# Altium PCB 2014_FDP_PCB.PcbDoc (part 2 of 4)
Units mil, origin at the board's own origin, x right, y up, seen from the top; angles counter-clockwise.
Board outline 4330.71 x 10236.22 mil, 4 copper layers (1-TOP, 2-GND, 3-SIGNAL, 4-BOT); 394 components, 292 nets, 1439 pads, 525 vias.
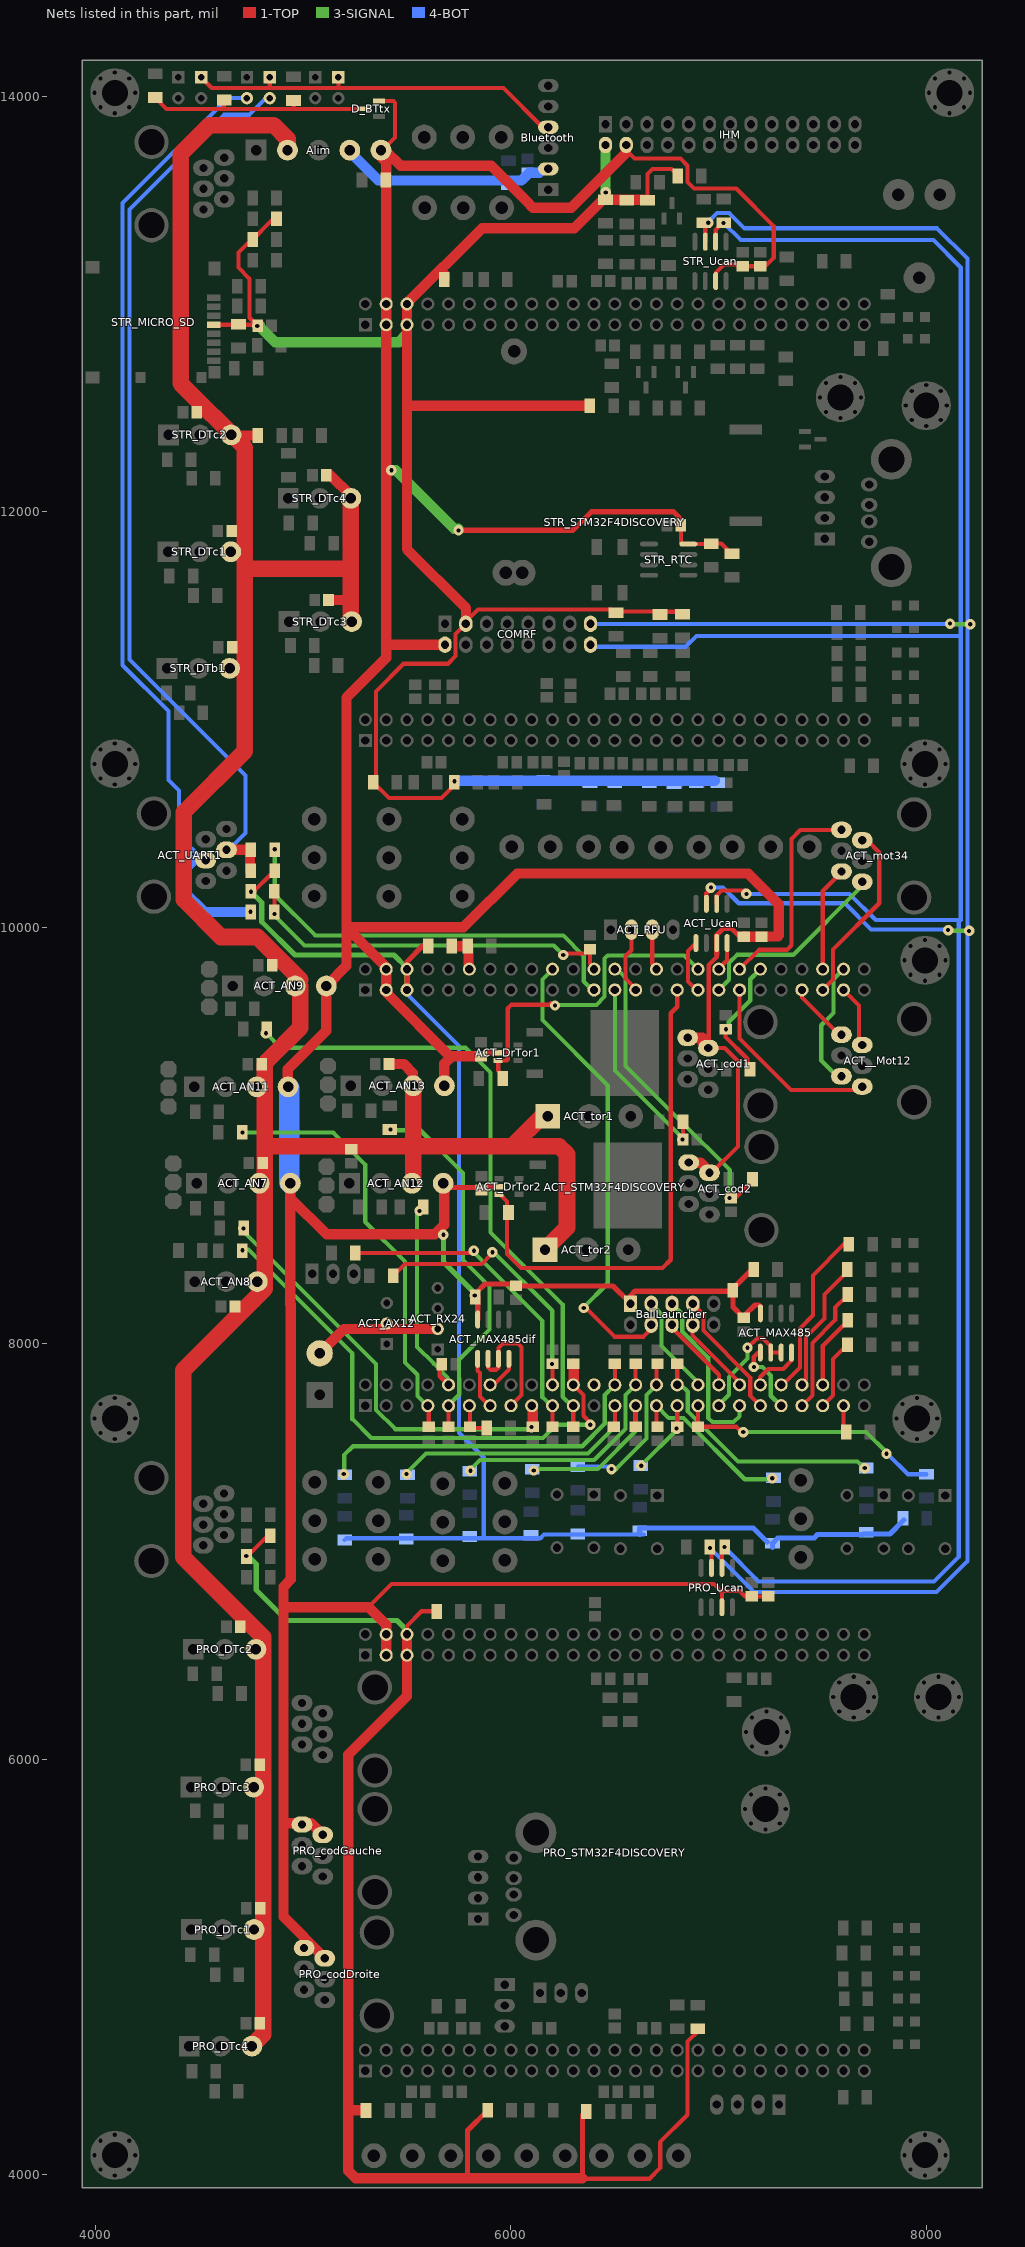
[diagram p4: the nets of this part, all layers, seen from the top]

## Part data
12V: "Terminal blocks, 2 pins, pitch=5mm"
ACT__Mot12 ACT_mot34 ACT_UART1 PRO_UART1 STR_UART1: "Right Angle, Standard Profile, Offset Latch DECconnect, Flangeless PCB Jack"
ACT_AN7 ACT_AN9 ACT_AN11 ACT_AN12 ACT_AN13: library part BORNIER_4V_3.81MM
ACT_AN8 PRO_DTc1 PRO_DTc2 PRO_DTc3 PRO_DTc4 STR_DTb1 STR_DTc1 STR_DTc2 STR_DTc3 STR_DTc4: library part BORNIER_3V_3.81MM
ACT_AX12: library part BARRETTE3, "Header, 3-Pin"
ACT_BPE12 ACT_BPE13 ACT_BPE14 ACT_BPE15: library part SW_Pushbutton_6x6mm_Vertical, "Switch tactil 6mm x 6mm Vertical"
ACT_Ccod1A ACT_Ccod1B ACT_Ccod2A ACT_Ccod2B ACT_CdAN7 ACT_CdAN8 ACT_CdAN9 ACT_CdAN11 ACT_CdAN12 ACT_CdAN13 ACT_CdCan1 ACT_CdCan2 ACT_CdMax485 ACT_CdMax485dif ACT_CfAn7 ACT_CfAn8 ACT_CfAn9 ACT_CfAn11 ACT_CfAn12 ACT_CfAn13 ACT_CfAn14 ACT_CfAn15 ACT_CfBPE12 ACT_CfBPE13 ACT_CfBPE14 ACT_CfBPE15 ACT_CfswE7 ACT_CfswE8 ACT_CfswE9 ACT_CfswE10 ACT_CfswE11 ACT_Cu1rx Cd_5V Cd_BT_1 Cd_BT_2 PRO_CBPE12 PRO_CcodDA PRO_CcodDB PRO_CcodGA PRO_CcodGB PRO_CdCan1 PRO_CdCan2 PRO_CdDtc1 PRO_CdDtc2 PRO_CdDtc3 PRO_CdDtc4 PRO_CfDTc1 PRO_CfDTc2 PRO_CfDTc3 PRO_CfDTc4 PRO_CfswE7 PRO_CfswE8 PRO_CfswE9 PRO_Cu1rx STR_Cd1SD STR_Cd2SD STR_Cd_RTC STR_CdCan1 STR_CdCan2 STR_CdDtb1 STR_CdDtc1 STR_CdDtc2 STR_CdDtc3 STR_CdDtc4 STR_CfBPA15 STR_CfBPC5 STR_CfBPD6 STR_CfBPD7 STR_CfBPE7 STR_CfBPE12 STR_CfBPE13 STR_CfBPE14 STR_CfBPE15 STR_CfDTb1 STR_CfDTc1 STR_CfDTc2 STR_CfDTc3 STR_CfDTc4 STR_CfSWA1 STR_CfSWA7 STR_CfSWB4 STR_CfSWB5 STR_CfSWE8 STR_CfSWE9 STR_CfSWE10 STR_CfSWE11 STR_Cmes24 STR_Cu1rx: library part Condensateur, "Capacitor"
ACT_CdDrTor1 ACT_CdDrTor2: library part Capacitor, "Capacitor"
ACT_cod1 ACT_cod2 PRO_codDroite PRO_codGauche PRO_Motors: library part RJ11_6/6, "Right Angle, Standard Profile, Offset Latch DECconnect, Flangeless PCB Jack"
ACT_currentMot PRO_currentMot PRO_UART2: "Header, 3-Pin"
ACT_Dcan ACT_Derror ACT_Drun ACT_DSelftest ACT_Duart ACT_Duser PRO_Dcan PRO_Derror PRO_Drun PRO_DSelftest PRO_Duart PRO_Duser STR_Dc6 STR_Dc7 STR_Dcan STR_Derror STR_Drun STR_DSelftest STR_Duart STR_Duser: library part LED, "Typical LED"
ACT_DrTor1 ACT_DrTor2: library part MCP1402
ACT_JPr ACT_JPt PRO_JPr PRO_JPt STR_JPr STR_JPt: "BARRETTE 2 CONTACTS 1 RANGEE MALE DROITE"
ACT_MAX485 ACT_MAX485dif: "EMETTEUR/RECEPTEUR FAIBLE PUISSANCE DE LIAISONS RS422/RS485 - DIP8"
ACT_Qtor1 ACT_Qtor2: library part IRF1010S, "HEXFET N-Channel Power MOSFET"
ACT_RCod1A ACT_RCod1B ACT_RCod2A ACT_RCod2B ACT_Rdcan ACT_Rderror ACT_Rdrun ACT_Rdselftest ACT_Rduart ACT_Rduser ACT_RdwnAn7 ACT_RdwnAn8 ACT_RdwnAn9 ACT_RdwnAn11 ACT_RdwnAn12 ACT_RdwnAn13 ACT_RdwnWAmI ACT_RfAn7 ACT_RfAn8 ACT_RfAn9 ACT_RfAn11 ACT_RfAn12 ACT_RfAn13 ACT_RfAn14 ACT_RfAn15 ACT_Rjpt ACT_Rmax485B+ ACT_Rmax485B- ACT_RpdDrTor1 ACT_RpdDrTor2 ACT_RpuBPE12 ACT_RpuBPE13 ACT_RpuBPE14 ACT_RpuBPE15 ACT_RpuMAX485 ACT_RpuMax485dif ACT_RpuswE7 ACT_RpuswE8 ACT_RpuswE9 ACT_RpuswE10 ACT_RpuswE11 ACT_RpuU1rx ACT_RpuU1tx ACT_RsBPE12 ACT_RsBPE13 ACT_RsBPE14 ACT_RsBPE15 ACT_RsSwE7 ACT_RsSwE8 ACT_RsSwE9 ACT_RsSwE10 ACT_RsSwE11 ACT_Rsu1rx ACT_RsU1tx ACT_RupWAmI PRO_RCodDA PRO_RCodDB PRO_RCodGA PRO_RCodGB PRO_Rdcan PRO_Rderror PRO_Rdrun PRO_Rdselftest PRO_Rdtc1 PRO_Rdtc2 PRO_Rdtc3 PRO_Rdtc4 PRO_Rduart PRO_Rduser PRO_RdwnWAmI PRO_RfDTc1 PRO_RfDTc2 PRO_RfDTc3 PRO_RfDTc4 PRO_Rjpt PRO_RpuBPE12 PRO_RpuswE7 PRO_RpuswE8 PRO_RpuswE9 PRO_RpuU1rx PRO_RpuU1tx PRO_RsBPE12 PRO_RsSwE7 PRO_RsSwE8 PRO_RsSwE9 PRO_Rsu1rx PRO_RsU1tx PRO_RupWAmI RcanH1 RcanH2 RcanL1 RcanL2 STR_mes24+ STR_mes24- STR_Rdcan STR_Rderror STR_Rdrun STR_Rdselftest STR_Rdtb1 STR_Rdtc1 STR_Rdtc2 STR_Rdtc3 STR_Rdtc4 STR_Rduart STR_Rduser STR_RdwnWAmI STR_RfDTb1 STR_RfDTc1 STR_RfDTc2 STR_RfDTc3 STR_RfDTc4 STR_Rjpt STR_RledC6 STR_RledC7 STR_RledColor1 STR_RledColor2 STR_RledColor3 STR_RpdColor1 STR_RpdColor2 STR_RpdColor3 STR_RpuBPA15 STR_RpuBPC5 STR_RpuBPD6 STR_RpuBPD7 STR_RpuBPE7 STR_RpuBPE12 STR_RpuBPE13 STR_RpuBPE14 STR_RpuBPE15 STR_RpuSB4 STR_RpuSWA1 STR_RpuSWA7 STR_RpuSWB5 STR_RpuSWE8 STR_RpuSWE9 STR_RpuSWE10 STR_RpuSWE11 STR_RpuU1rx STR_RpuU1tx STR_RsBPA15 STR_RsBPC5 STR_RsBPD6 STR_RsBPD7 STR_RsBPE7 STR_RsBPE12 STR_RsBPE13 STR_RsBPE14 STR_RsBPE15 STR_RsBuz STR_Rscl STR_Rsda STR_RsdCS STR_RsdMiso STR_RsdMosi STR_RsdSck STR_RsLedA8 STR_RsLedC10 STR_RsLedC11 STR_RsLedC12 STR_Rsmed24 STR_RsSWA1 STR_RsSWA7 STR_RsSWB4 STR_RsSWB5 STR_RsSWE8 STR_RsSWE9 STR_RsSWE10 STR_RsSWE11 STR_Rsu1rx STR_RsU1tx STR_RupWAmI: library part Resistor, "Resistor"
ACT_RFU PRO_gyro PRO_USB_fils STR_USB_fils: "Header, 4-Pin"
ACT_RX24: library part BARRETTE4, "Header, 4-Pin"
ACT_stAN7 ACT_stAN9 ACT_stAN11 ACT_stAN12 ACT_stAN13: library part "Goutte Strap_3", "Goutte Strap_3"
ACT_STM32F4DISCOVERY PRO_STM32F4DISCOVERY STR_STM32F4DISCOVERY: "KIT DE DEVELOPPEMENT POUR MICROCONTROLEUR STM32F407VGT6"
ACT_SwE7 ACT_SwE8 ACT_SwE9 ACT_SwE10 ACT_SwE11 PRO_SwE7 PRO_SwE8 PRO_SwE9 STR_SWA1 STR_SWA7 STR_SWB4 STR_SWB5 STR_SWE8 STR_SWE9 STR_SWE10 STR_SWE11: library part "SW SPDT- APEM Série 523x", "Switch unipolaire a levier"
ACT_tor1 ACT_tor2: library part BORNIER3, "Terminal blocks, 2 pins, pitch=5mm"
ACT_Ucan PRO_Ucan STR_Ucan: "High-Speed CAN Transceiver, 8-Pin SOIC, Industrial Temperature"
BallLauncher: "EMBASE HE10/10 MALE DROIT BAS PROFIL"
Bluetooth: "Header, 6-Pin"
D_BTtx STR_Dbuz: library part "Diode Shottky double  BAT54A", "DIODE SCHOTTKY DOUBLE"
Fix1 Fix2 Fix3 Fix4 Fix5 Fix6 V1 V2 V3 V4 V5 V6 V7 V8 V9: library part "Vis M3 X 6mm _TORX_Tête 6mm", "Vis M3 X 6mm _TORX_Tête 6mm"
IHM: "Header, 13-Pin, Dual row"
PRO_USB_A STR_USB_A: "EMBASE USB TRAVERSANTE TYPE A COUDEE"
STR_CR2032: "Battery, Pile"
STR_Qcolor1 STR_Qcolor2 STR_Qcolor3: library part "Transistor MOSFET-N", "N-Channel MOSFET"
STR_RTC: "64 X 8 Serial Real-Time Clock"
STR_Rvarbuz: "RESISTANCE VARIABLE_TRAVERSANTE : PT10LV"

## Via types
v1: diameter 50, hole 20, 1-TOP to 4-BOT, 525 vias

## Nets (pads, with @x,y where several pads share a name; then routed paths per layer and width w, separated by ;. In a path a pad name is that pad's centre, name@x,y a point inside that pad or via, vN(x,y) a via of type N, cw(c..) or ccw(c..) an arc to the next point about the centre after c; other vN are vias at no path point)
3V_ACT: ACT_RpuBPE12.2 ACT_RpuBPE13.2 ACT_RpuBPE14.2 ACT_RpuBPE15.2 ACT_RpuswE7.2 ACT_RpuswE8.2 ACT_RpuswE9.2 ACT_RpuswE10.2 ACT_RpuswE11.2 ACT_RpuU1rx.2 ACT_RpuU1tx.2 ACT_RupWAmI.2 ACT_STM32F4DISCOVERY.55 ACT_STM32F4DISCOVERY.56 | length 7055.6
  1-TOP w20: ACT_RpuU1rx.2@4747.91,10175 4765,10175 ACT_RpuU1tx.2@4847,10257
  1-TOP w25: ACT_STM32F4DISCOVERY.55@5500,9714 ACT_STM32F4DISCOVERY.56@5500,9800 5500,9836 5575,9911 ACT_RupWAmI.2@5601.91,9911
  3-SIGNAL w25: v1(4750,10172) 4801,10121 4801,10028 4961,9868 5438,9868 5499,9807 ACT_STM32F4DISCOVERY.55@5499,9701
  4-BOT w20: ACT_RpuswE8.2@5200,7053.91 5208.09,7062 6141,7062 6159,7080 6620,7080 ACT_RpuBPE13.2@6639,7080 ; ACT_STM32F4DISCOVERY.55@5500,9700 5500,9681 5751,9430 5751,7570 5869,7452 5869,7064
  4-BOT w25: ACT_RpuBPE13.2@6620,7080 6620,7111 7166,7111 ACT_RpuswE11.2@7233,7044 ; ACT_RpuswE11.2@7258,7018 ACT_RpuswE11.2@7258,7038.91 ; ACT_RpuswE11.2@7260,7040 7284,7064 7459,7064 7475,7080 7694,7080 7697,7083 7823,7083 ACT_RpuBPE15.2@7890,7150
3V_PRO: PRO_RpuBPE12.2 PRO_RpuswE7.2 PRO_RpuswE8.2 PRO_RpuswE9.2 PRO_RpuU1rx.2 PRO_RpuU1tx.2 PRO_RupWAmI.2 PRO_STM32F4DISCOVERY.55 PRO_STM32F4DISCOVERY.56 | length 7083.6
  1-TOP w20: PRO_RpuU1rx.2@4727.91,6975 4731,6975 PRO_RpuU1tx.2@4819,7063 ; PRO_STM32F4DISCOVERY.56@5500,6600 5500,6641 5570,6711 PRO_RupWAmI.2@5636,6711 ; 6336,3981 6666,3981 6718,4033 6718,4157 6850,4289 6850,4641 PRO_RpuBPE12.2@6906.5,4697.5
  1-TOP w25: 5791,3990 5791,4213.09 PRO_RpuswE7.2@5888.91,4311 ; 6345,3989 6345,4287.09 PRO_RpuswE9.2@6362.91,4305
  1-TOP w50: 5230,4310 PRO_RpuswE8.2@5302.91,4310 ; PRO_STM32F4DISCOVERY.56@5500,6600 PRO_STM32F4DISCOVERY.55@5500,6500 5500,6302 5218,6020 5218,4019 5253,3984 6344,3984
  3-SIGNAL w25: v1@4734,6980 4775,6939 4775,6813 4922,6666 5452,6666 5500,6618 PRO_STM32F4DISCOVERY.56@5500,6600
  other v1: 4727,6977
3V_STR: COMRF.3 IHM.2 STR_Cd1SD.2 STR_Cd2SD.2 STR_MICRO_SD.4 STR_RpuBPA15.2 STR_RpuBPC5.2 STR_RpuBPD6.2 STR_RpuBPD7.2 STR_RpuBPE7.2 STR_RpuBPE12.2 STR_RpuBPE13.2 STR_RpuBPE14.2 STR_RpuBPE15.2 STR_RpuSB4.2 STR_RpuSWA1.2 STR_RpuSWA7.2 STR_RpuSWB5.2 STR_RpuSWE8.2 STR_RpuSWE9.2 STR_RpuSWE10.2 STR_RpuSWE11.2 STR_RpuU1rx.2 STR_RpuU1tx.2 STR_RupWAmI.2 STR_STM32F4DISCOVERY.55 STR_STM32F4DISCOVERY.56 | length 9915.6
  1-TOP w20: STR_MICRO_SD.4@4570,12900.08 STR_Cd1SD.2@4771.92,12900.08 ; STR_RpuU1rx.2@4749,13308 4689,13248 4689,13175 4743,13121 4743,12933.54 STR_Cd1SD.2@4781.54,12895 ; STR_RpuU1rx.2@4757.91,13310 4848.91,13401 STR_RpuU1tx.2@4877,13401 ; STR_RpuSWA1.2@5336.91,10699 5412.91,10623 5666,10623 STR_RpuSWA7.2@5721,10678 ; STR_RpuSWA1.2@5351,10689 5351,11136 5484,11269 5697,11269 5733.91,11305.91 5733.91,11411.91 COMRF.3@5783,11461 5783,11471 5784,11472 5842,11530 6356,11530 ; 6352,11530 6356,11530 ; STR_RpuSWE8.2@6506,11513 6502,11513 6485,11530 6356,11530 ; STR_RpuSWE8.2@6506,11515.09 6511.91,11521 6692,11521 6694,11519 6814,11519 STR_RpuBPE14.2@6826,11507 ; STR_RpuBPD6.2@6657,13499.09 6657,13626 6681,13650 6772,13650 STR_RpuBPA15.2@6794,13628
  1-TOP w50: 5508,12510 STR_RpuSB4.2@6379.91,12510 ; STR_RupWAmI.2@5678.91,13118 STR_RupWAmI.2@5678.91,13143.91 ; COMRF.3@5784,11471 5784,11472 5784,11537 5500,11821 STR_STM32F4DISCOVERY.55@5500,12900 5500,13003 5861,13364 6304,13364 6442.09,13502.09 STR_RpuSWB5.2@6455,13502.09 STR_RpuBPD6.2@6656.09,13502.09
  3-SIGNAL w50: v1@4791,12897 4791,12891 4866,12816 5460,12816 5500,12856 STR_STM32F4DISCOVERY.55@5500,12900 ; STR_STM32F4DISCOVERY.56@5500,13000 STR_STM32F4DISCOVERY.56@5500,13004 ; v1@6455,13545 IHM.2@6455,13765
  4-BOT w50: v1@5734.91,10707.09 STR_RpuBPC5.2@6155,10707.09 STR_RpuBPE15.2@6980.91,10707.09
  other v1: 5728,10704 4780,12894 6456,13537
5V: ACT_AN7.4 ACT_AN9.4 ACT_AN11.4 ACT_AN12.4 ACT_AN13.4 ACT_CdCan1.2 ACT_CdCan2.2 ACT_CdDrTor1.1 ACT_CdDrTor2.1 ACT_CdMax485.2 ACT_CdMax485dif.2 ACT_cod1.1 ACT_cod1.2 ACT_cod2.1 ACT_cod2.2 ACT_DrTor1.2 ACT_DrTor2.2 ACT_MAX485.8 ACT_MAX485dif.8 ACT_Rmax485B+.2 ACT_RpuMAX485.2 ACT_RpuMax485dif.2 ACT_STM32F4DISCOVERY.53 ACT_STM32F4DISCOVERY.54 ACT_Ucan.3 Alim.5 BallLauncher.1 Cd_5V.2 COMRF.2 D_BTtx.2 IHM.4 PRO_CdCan1.2 PRO_CdCan2.2 PRO_codDroite.1 PRO_codDroite.2 PRO_codGauche.1 PRO_codGauche.2 PRO_STM32F4DISCOVERY.53 PRO_STM32F4DISCOVERY.54 PRO_Ucan.3 STR_Cd_RTC.1 STR_CdCan1.2 STR_CdCan2.2 STR_Rscl.2 STR_Rsda.2 STR_RTC.8 STR_STM32F4DISCOVERY.53 STR_STM32F4DISCOVERY.54 STR_Ucan.3 | length 26143.9
  1-TOP w20: 5315,6731 5426,6842 6976,6842 7016,6802 PRO_Ucan.3@7016,6734 ; D_BTtx.2@5365.4,13976.4 5434.6,13976.4 5443,13968 5443,13800 Alim.5@5385,13742 ; IHM.4@6552,13742 6553,13741 6595,13699 6816,13699 6850,13665 6850,13586 6881,13555 7084,13555 7264,13375 7264,13222 STR_CdCan2.2@7220,13178 ; STR_RTC.8@6817.46,11849.54 STR_Cd_RTC.1@6817.46,11935 ; STR_RTC.8@6853.49,11845 STR_Rscl.2@6959,11845 ; ACT_cod1.2@6948,9426 6951.5,9429.5 6951.5,9820.09 6990,9858.58 6990,9872 ; ACT_cod1.2@6950,9420.39 7028.61,9420.39 7092,9357 7092,8947 6971,8826 ACT_cod2.2@6967,8822 ; STR_Rscl.2@6964,11847.09 7011.91,11847.09 STR_Rsda.2@7053,11806 ; STR_Ucan.3@6987,13132 6987,13151 7026,13190 7088,13190 7096.46,13181.54 STR_CdCan1.2@7115,13181.54 STR_CdCan2.2@7200,13181.54 ; 7015,6809 7101,6809 7127.46,6782.54 PRO_CdCan1.2@7158,6782.54 PRO_CdCan2.2@7238,6782.54
  1-TOP w25: ACT_AN12.4@5683,8749 5877,8749 5882,8754 ACT_DrTor2.2@5943.76,8754 ; v1(5748,11911) 6299,11911 6388,12000 6782,12000 STR_Cd_RTC.1@6825,11957 ; ACT_RpuMax485dif.2@5831,8241 5876,8286 6014.46,8286 ACT_CdMax485dif.2@6024,8276.46 6491.54,8276.46 BallLauncher.1@6570,8198 ; ACT_MAX485dif.8@5840,8114.49 ACT_RpuMax485dif.2@5840,8226 ; ACT_CdDrTor1.1@5873,9381 5890.01,9398.01 ACT_DrTor1.2@5938.76,9398.01 ; BallLauncher.1@6575,8190 6575,8229 6597,8251 ACT_Rmax485B+.2@7067.91,8251 ; 6990,9872 ACT_Ucan.3@6990,9925.51 6990,9965 7022,9997 7060,9997 7100.46,9956.54 ACT_CdCan2.2@7120,9956.54 ; ACT_Rmax485B+.2@7067.91,8258.91 ACT_Rmax485B+.2@7067.91,8255 ; ACT_CdMax485.2@7120,8123 7067.91,8175.09 ACT_Rmax485B+.2@7067.91,8251 ; ACT_CdMax485.2@7124,8135 7174,8185 7192,8185 7200,8177 ACT_MAX485.8@7200,8144.49 ; ACT_RpuMAX485.2@7159,8355 7067.91,8263.91 ACT_Rmax485B+.2@7067.91,8255 ; ACT_Rmax485B+.2@7067.91,8251 ACT_Rmax485B+.2@7067.91,8255
  1-TOP w50: 4920,5692 PRO_codGauche.1@4995,5692 ; 4922,6731 5315,6731 5400,6646 PRO_STM32F4DISCOVERY.54@5400,6600 PRO_STM32F4DISCOVERY.53@5400,6500 ; ACT_AN11.4@4927,9236 4927,9319 5112.01,9504.01 ACT_AN9.4@5112.01,9719.01 ACT_AN9.4@5119.99,9719.01 ; ACT_AN7.4@4939.01,8770.01 4939.01,8698.99 ; PRO_codGauche.1@5038.39,5692 PRO_codGauche.2@5095,5635.39 ; PRO_codDroite.2@5105,5041.39 4906,5240.39 4906,6830 4940,6864 4940,8186.02 4939.01,8187.01 4939.01,8698.99 ; ACT_AN9.4@5118,9726 5209,9817 5209,10001 ; Alim.5@5357,13725 5400,13682 5400,13051 ; Alim.5@5375,13740 5394,13740 5469,13665 5905,13665 6073,13497 6073,13496 6106,13463 6290,13463 6553,13726 6553,13741 IHM.4@6553,13764 ; 5401,13050 5400,13051 ; 5410,11361 COMRF.2@5683,11361 ; ACT_AN12.4@5679,8768 5679,8571 5633,8525 5113,8525 4939.01,8698.99 ; ACT_AN13.4@5680,9239 5680,9346 5710.02,9376.02 ; 5714,9380 5710.02,9376.02 ; ACT_CdDrTor1.1@5856.13,9381.87 5723.13,9381.87 5711.53,9374.49 5710.02,9376.02 ; ACT_cod1.1@6850,9470 6920,9470 ACT_cod1.2@6920,9450 ; ACT_cod2.1@6855,8870 6910,8870 6954,8826 ACT_cod2.2@6971,8826 ; ACT_cod1.2@6948,9422 ACT_cod1.2@6950,9422 ; ACT_CdCan2.2@7122,9958 7123.46,9956.54 ACT_CdCan1.2@7205,9956.54 ; ACT_CdCan1.2@7199,9957 7283,9957 7289,9963 7289,10112 7141,10260 6030,10260 5771,10001 5209,10001 ; 5209,10001 5400,9810 ACT_STM32F4DISCOVERY.54@5400,9800 5400,9707 5395.5,9692.48 5710.02,9376.02 ; 5209,10001 5209,11106 5400,11297 STR_STM32F4DISCOVERY.53@5400,12900 STR_STM32F4DISCOVERY.54@5400,13000 5400,13051
  3-SIGNAL w25: v1(5675,8522) 5675,8391 v1@5827,8239
  3-SIGNAL w50: v1(5425,12200) 5446,12200 5728,11918 v1@5748,11918
  4-BOT w100: ACT_AN7.4@4934.01,8776.01 ACT_AN11.4@4934.01,9227.99
  other v1: 5826,8230
5V_PERM: Alim.4 Bluetooth.2 Cd_BT_1.2 Cd_BT_2.2 | length 1007.1
  4-BOT w50: Alim.4@5224,13732 5362,13594 6051,13594 6088,13631 6136,13631 Bluetooth.2@6152,13647
12V: 12V.2 ACT_AX12.2 ACT_RX24.2 | length 605.6
  1-TOP w50: 12V.2@5088,7959 5198.15,8069.15 ACT_RX24.2@5648,8069.15
24V: ACT_AN7.3 ACT_AN8.3 ACT_AN9.3 ACT_AN11.3 ACT_AN12.3 ACT_AN13.3 ACT_CdAN7.2 ACT_CdAN8.2 ACT_CdAN9.2 ACT_CdAN11.2 ACT_CdAN12.2 ACT_CdAN13.2 ACT_tor1.1 ACT_tor2.1 Alim.2 PRO_CdDtc1.2 PRO_CdDtc2.2 PRO_CdDtc3.2 PRO_CdDtc4.2 PRO_DTc1.3 PRO_DTc2.3 PRO_DTc3.3 PRO_DTc4.3 STR_CdDtb1.2 STR_CdDtc1.2 STR_CdDtc2.2 STR_CdDtc3.2 STR_CdDtc4.2 STR_DTb1.3 STR_DTc1.3 STR_DTc2.3 STR_DTc3.3 STR_DTc4.3 STR_mes24+.2 | length 15022.1
  1-TOP w50: STR_DTc2.3@4677,12367 STR_mes24+.2@4782.91,12367 ; STR_CdDtc4.2@5112.46,12176 5132,12176 5231,12077 STR_DTc4.3@5231,12065 ; STR_CdDtc3.2@5122.46,11576 5202,11576 5230,11548 5238,11540 ; ACT_CdAN13.2@5413.46,9344 5484,9344 5528,9300 ACT_AN13.3@5528,9246
  1-TOP w80: PRO_DTc4.3@4747,4614 4808,4675 4808,6587 4423,6972 4423,7869 4762,8208 ; 4774,8220 4762,8208 ; ACT_CdAN11.2@4816.46,9342 4816.46,8262.46 4762,8208 ; 4828,9359.5 4987,9518.5 ACT_AN9.3@4987,9719.01 ; 4860,8948 5530,8948 ; Alim.2@4925,13740 4925,13794 4859,13860 4550,13860 4411,13721 4411,12618 4720,12309 4720,11726 ; ACT_AN9.3@4987,9749 4781,9955 4605,9955 4426,10134 4426,10555 4720,10849 4720,11726 ; STR_DTc3.3@5230,11481 5230,11548 5230,11726 ; STR_DTc4.3@5230,12065 5230,11726 ; ACT_AN12.3@5530,8776 5530,8948 ; ACT_AN13.3@5530,9239 5530,8948 ; ACT_tor1.1@6156,9099 6005,8948 ; ACT_tor2.1@6164,8451 6270,8557 6270,8910 6232,8948 6005,8948 ; 4720,11726 5230,11726 ; 5530,8948 6005,8948
ACT_PA1_CODGB: ACT_Ccod1A.2 ACT_RCod1A.1 ACT_STM32F4DISCOVERY.11 | length 170.4
  1-TOP w20: ACT_Ccod1A.2@5803,7599.46 ACT_STM32F4DISCOVERY.11@5803,7696 ; ACT_Ccod1A.2@5810,7593 ACT_RCod1A.1@5883.91,7593
ACT_PA2_MAX485DIF_TX: ACT_MAX485dif.4 ACT_STM32F4DISCOVERY.14 | length 168.1
  1-TOP w20: ACT_STM32F4DISCOVERY.14@5900,7800 5916,7800 5991,7875 ACT_MAX485dif.4@5991,7921
ACT_PA3_MAX485DIF_RX: ACT_MAX485dif.1 ACT_STM32F4DISCOVERY.13 | length 254
  1-TOP w20: ACT_MAX485dif.1@5840,7925.51 5840,7868 5851.5,7856.5 5851.5,7743.5 ACT_STM32F4DISCOVERY.13@5899,7696
ACT_PA5_MAX485DIF_SENS: ACT_MAX485dif.2 ACT_MAX485dif.3 ACT_STM32F4DISCOVERY.15 | length 621.4
  1-TOP w20: ACT_MAX485dif.2@5890,7925.51 5890,7884 5901,7873 5928,7873 ACT_MAX485dif.3@5939,7884 ; 5940,7882 ACT_MAX485dif.3@5940,7925.51 ; ACT_MAX485dif.3@5941,7929 5941,7978 5962,7999 6034,7999 6051.5,7981.5 6051.5,7751.5 ACT_STM32F4DISCOVERY.15@6000,7700
ACT_PA7_ADC7: ACT_CfAn7.2 ACT_RfAn7.1 ACT_STM32F4DISCOVERY.17 | length 2048.8
  1-TOP w25: ACT_CfAn7.2@6097.46,7606 ACT_CfAn7.2@6105,7598.46
  1-TOP w50: ACT_CfAn7.2@6105,7598.46 ACT_STM32F4DISCOVERY.17@6105,7696
  3-SIGNAL w20: v1(4713,8553) 4713,8533 4719,8533 5351.5,7900.5 5351.5,7679.42 5443.92,7587 6084,7587 v1@6104,7607
  other v1: 6099,7597
ACT_PA8_SENS1: ACT__Mot12.1 ACT_STM32F4DISCOVERY.93 | length 292
  1-TOP w20: ACT_STM32F4DISCOVERY.93@7400,9700 7400,9664 ACT__Mot12.1@7581,9483
ACT_PA15_CODGA: ACT_Ccod1B.2 ACT_RCod1B.1 ACT_STM32F4DISCOVERY.90 | length 582.6
  1-TOP w20: ACT_Ccod1B.2@7033,9510.54 7033,9473 7137,9369 ACT_RCod1B.1@7137,9326
  3-SIGNAL w20: v1@7048,9508 7048,9546 7151.5,9649.5 7151.5,9751.5 ACT_STM32F4DISCOVERY.90@7200,9800
  other v1: 7034,9511
ACT_PB0_ADC8: ACT_CfAn8.2 ACT_RfAn8.1 ACT_STM32F4DISCOVERY.22 | length 2583.5
  1-TOP w20: ACT_STM32F4DISCOVERY.22@6300,7800 6348.5,7751.5 6348.5,7651.5 v1@6385,7615
  1-TOP w50: ACT_STM32F4DISCOVERY.22@6300,7800 6302,7802 6302,7901.54 ACT_CfAn8.2@6300,7901.54
  3-SIGNAL w20: v1@4711,8451 4738,8451 5237,7952 5237,7635 5328,7544 6155,7544 6219,7608 v1(6382,7608)
  other v1: 4709,8448
ACT_PB1_ADC9: ACT_CfAn9.2 ACT_RfAn9.1 ACT_STM32F4DISCOVERY.21 | length 3028.9
  1-TOP w20: ACT_CfAn9.2@6300,7600 ACT_STM32F4DISCOVERY.21@6300,7700
  3-SIGNAL w20: v1(4821,9492) 4891,9422 5782,9422 5902,9302 5902,8534 6249,8187 6249,7743 ACT_STM32F4DISCOVERY.21@6296,7696
ACT_PB2_RFU: ACT_STM32F4DISCOVERY.24
ACT_PB4_CODDA: ACT_Ccod2A.2 ACT_RCod2A.1 ACT_STM32F4DISCOVERY.75 | length 918.5
  1-TOP w20: ACT_Ccod2A.2@6828.09,8987.09 ACT_RCod2A.1@6828.09,9066
  3-SIGNAL w20: ACT_STM32F4DISCOVERY.75@6500,9700 6500,9313 v1@6820,8993
  other v1: 6825,8980
ACT_PB5_CODDB: ACT_Ccod2B.2 ACT_RCod2B.1 ACT_STM32F4DISCOVERY.76 | length 1460.4
  1-TOP w20: ACT_Ccod2B.2@7059,8699.46 7079.46,8699.46 ACT_RCod2B.1@7158,8778
  3-SIGNAL w20: ACT_STM32F4DISCOVERY.76@6511,9799 6531.5,9778.5 6552,9758 6552,9721.08 6551.5,9720.58 6551.5,9334.5 6816,9070 7053,8833 v1@7053,8695
  other v1: 7052,8699
ACT_PB6_U1TX: ACT_RsU1tx.2 ACT_STM32F4DISCOVERY.73 | length 2007.3
  3-SIGNAL w20: v1(4864,10377) 4864,10157 5059,9962 6252,9962 6350,9864 6350,9742 ACT_STM32F4DISCOVERY.73@6391,9701
ACT_PB7_U1RX: ACT_Cu1rx.2 ACT_RpuU1rx.1 ACT_Rsu1rx.1 ACT_STM32F4DISCOVERY.74 | length 1798.2
  1-TOP w20: ACT_Rsu1rx.1@4862.09,10078.91 ACT_RpuU1rx.1@4862.09,10175 ; v1@6258,9876 6359.46,9876 ACT_Cu1rx.2@6380,9896.54 6380,9828 ACT_STM32F4DISCOVERY.74@6403,9805
  3-SIGNAL w20: v1@4861,10060 5007,9914 6206,9914 v1(6252,9868)
  other v1: 4862,10065
ACT_PB9_BALLLAUNCHER1: ACT_STM32F4DISCOVERY.70 BallLauncher.4 | length 2242.5
  1-TOP w20: v1@6351.5,8179.5 6499,8032 6638,8032 6675,8069 BallLauncher.4@6675,8090
  3-SIGNAL w20: ACT_STM32F4DISCOVERY.70@6195,9794 6151.5,9750.5 6151.5,9555.5 6466,9241 6466,8289 v1@6347,8170
  other v1: 6350,8170
ACT_PB10_BALLLAUNCHER2: ACT_STM32F4DISCOVERY.34 BallLauncher.3 | length 484.6
  3-SIGNAL w20: BallLauncher.3@6674,8191 BallLauncher.3@6675,8190 6724.09,8140.91 6724.09,7987.91 6900,7812 ACT_STM32F4DISCOVERY.34@6900,7800
ACT_PB11_MAX485_SENS: ACT_MAX485.2 ACT_MAX485.3 ACT_STM32F4DISCOVERY.35 | length 558.8
  1-TOP w20: v1@7139,7979 7184,8024 7212,8024 7249,7987 7249,7956.51 ACT_MAX485.2@7250,7955.51 ACT_MAX485.3@7296.51,7955.51
  3-SIGNAL w20: ACT_STM32F4DISCOVERY.35@6997,7701 7048.5,7752.5 7048.5,7837.5 7138,7927 v1(7138,7979)
ACT_PB12_BALLLAUNCHER3: ACT_STM32F4DISCOVERY.36 BallLauncher.6 | length 376.6
  1-TOP w20: BallLauncher.6@6775,8090 6775,8075 7001,7849 ACT_STM32F4DISCOVERY.36@7001,7807
ACT_PB13_BALLLAUNCHER4: ACT_STM32F4DISCOVERY.37 BallLauncher.5 | length 846
  3-SIGNAL w20: BallLauncher.5@6775,8190 6824.09,8140.91 6824.09,8056.91 6949,7932 6949,7641 6969,7621 7071,7621 7099,7649 ACT_STM32F4DISCOVERY.37@7099,7704
ACT_PB14_BALLLAUNCHER5: ACT_STM32F4DISCOVERY.38 BallLauncher.8 | length 384.6
  1-TOP w20: BallLauncher.8@6874,8091 6874,8038 7100,7812 ACT_STM32F4DISCOVERY.38@7100,7800
ACT_PB15_BALLLAUNCHER6: ACT_STM32F4DISCOVERY.39 BallLauncher.7 | length 624.6
  1-TOP w20: BallLauncher.7@6875,8190 6925.91,8139.09 6925.91,8061.09 7151,7836 7151,7749 ACT_STM32F4DISCOVERY.39@7200,7700
ACT_PC1_ADC11: ACT_CfAn11.2 ACT_RfAn11.1 ACT_STM32F4DISCOVERY.7 | length 2014.7
  1-TOP w20: ACT_CfAn11.2@5605,7598.46 ACT_STM32F4DISCOVERY.7@5605,7682
  3-SIGNAL w20: v1(4708,9014) 5145,9014 5299,8860 5299,8585 5491,8393 5491,7908 5550,7849 5550,7747 ACT_STM32F4DISCOVERY.7@5592,7705
ACT_PC2_ADC12: ACT_CfAn12.2 ACT_RfAn12.1 ACT_STM32F4DISCOVERY.10 | length 1020.7
  1-TOP w20: ACT_CfAn12.2@5657.54,7901 5657.54,7841.46 ACT_STM32F4DISCOVERY.10@5694,7805
  3-SIGNAL w20: v1@5569,8654 5548,8633 5548,7983 5629,7902 5695,7836 ACT_STM32F4DISCOVERY.10@5695,7814
  other v1: 5560,8637
ACT_PC3_ADC13: ACT_CfAn13.2 ACT_RfAn13.1 ACT_STM32F4DISCOVERY.9 | length 1780
  1-TOP w20: ACT_CfAn13.2@5700,7598.46 ACT_STM32F4DISCOVERY.9@5700,7700 ACT_STM32F4DISCOVERY.9@5700,7703
  3-SIGNAL w20: v1(5421,9029) 5425,9025 5564,9025 5770,8819 5770,8400 5897,8273 5897,8067 5751,7921 5751,7832 5752,7831 ; ACT_STM32F4DISCOVERY.9@5708,7711 5751.5,7754.5 5751.5,7831
ACT_PC4_ADC14: ACT_CfAn14.2 ACT_RfAn14.1 ACT_STM32F4DISCOVERY.20 | length 1281.9
  1-TOP w20: ACT_RfAn14.1@5433.09,8325 5490.09,8382 5860,8382 v1@5902,8424 ; ACT_STM32F4DISCOVERY.20@6200,7800 ACT_CfAn14.2@6200,7901.54
  3-SIGNAL w20: v1@5909.5,8446.5 6199,8157 v1@6199,7896
  other v1: 6198,7901 5911,8438
ACT_PC5_ADC15: ACT_CfAn15.2 ACT_RfAn15.1 ACT_STM32F4DISCOVERY.19 | length 1570
  1-TOP w20: ACT_RfAn15.1@5251.09,8435 v1@5813,8435 ; ACT_CfAn15.2@6200,7602 ACT_STM32F4DISCOVERY.19@6200,7700
  3-SIGNAL w20: v1@5811,8448 6151,8108 6151,7741 ACT_STM32F4DISCOVERY.19@6195,7697
  other v1: 5822,8445
ACT_PC6_PWM1: ACT__Mot12.2 ACT_STM32F4DISCOVERY.97 | length 286.1
  1-TOP w20: ACT_STM32F4DISCOVERY.97@7600,9700 7634.5,9665.5 7675,9625 ACT__Mot12.2@7675,9445
ACT_PC7_PWM2: ACT__Mot12.5 ACT_STM32F4DISCOVERY.98 | length 597.5
  3-SIGNAL w20: ACT__Mot12.5@7573,9280 7493,9360 7493,9530 7551.5,9588.5 7551.5,9751.5 ACT_STM32F4DISCOVERY.98@7600,9800
ACT_PC8_PWM3: ACT_mot34.2 ACT_STM32F4DISCOVERY.95 | length 852.4
  1-TOP w20: ACT_STM32F4DISCOVERY.95@7500,9700 7550,9750 7550,9895 7772,10117 7772,10362 ACT_mot34.2@7717,10417
ACT_PC9_PWM4: ACT_mot34.5 ACT_STM32F4DISCOVERY.96 | length 503.7
  1-TOP w20: ACT_STM32F4DISCOVERY.96@7500,9800 7500,10175 ACT_mot34.5@7591,10266
ACT_PC10_SENS2: ACT__Mot12.6 ACT_STM32F4DISCOVERY.87 | length 925.7
  1-TOP w20: ACT_STM32F4DISCOVERY.87@7100,9700 7100,9466 7348,9218 ACT__Mot12.6@7689,9218
ACT_PC11_SENS3: ACT_mot34.1 ACT_STM32F4DISCOVERY.88 | length 1050
  1-TOP w20: ACT_STM32F4DISCOVERY.88@7100,9800 7193,9893 7328,9893 7350,9915 7350,10427 7392,10469 ACT_mot34.1@7573,10469
ACT_PC12_SENS4: ACT_mot34.6 ACT_STM32F4DISCOVERY.85 | length 944.1
  3-SIGNAL w20: ACT_STM32F4DISCOVERY.85@7000,9700 7049,9749 7049,9831 7087,9869 7358,9869 ACT_mot34.6@7689,10200
ACT_PC13_WHO_AM_I: ACT_RdwnWAmI.2 ACT_RupWAmI.1 ACT_STM32F4DISCOVERY.62 | length 183.5
  1-TOP w50: ACT_RupWAmI.1@5716.09,9911 5785,9911 5796,9900 ACT_STM32F4DISCOVERY.62@5796,9801
ACT_PD0_CANRX: ACT_STM32F4DISCOVERY.86 ACT_Ucan.4 | length 129.2
  1-TOP w20: ACT_STM32F4DISCOVERY.86@7007,9810 7040,9843 ACT_Ucan.4@7040,9925.51
ACT_PD1_CANTX: ACT_STM32F4DISCOVERY.83 ACT_Ucan.1 | length 255.4
  1-TOP w20: ACT_STM32F4DISCOVERY.83@6890,9702 6852,9740 6852,9779.42 6851.5,9779.91 6851.5,9887.02 ACT_Ucan.1@6890,9925.51
ACT_PD2_TOR1: ACT_DrTor1.3 ACT_RpdDrTor1.2 ACT_STM32F4DISCOVERY.84 | length 1525.5
  1-TOP w20: ACT_DrTor1.3@5939,9363 5939,9312 ACT_RpdDrTor1.2@5960.09,9290.91 ; ACT_DrTor1.3@5943,9361 5980,9361 5985,9366 5985,9612 6002,9629 6186,9629 6193,9636 v1@6204,9625
  3-SIGNAL w20: v1@6212,9628 6411,9628 6451,9668 6451,9851 6466,9866 6834,9866 ACT_STM32F4DISCOVERY.84@6900,9800
  other v1: 6212,9625
ACT_PD3_TOR2: ACT_DrTor2.3 ACT_RpdDrTor2.2 ACT_STM32F4DISCOVERY.81 | length 2442.2
  1-TOP w20: ACT_DrTor2.3@5947,8713 5951,8713 5981,8683 5981,8430 6048,8363 6730,8363 6769,8402 6769,9588 6800,9619 ACT_STM32F4DISCOVERY.81@6800,9700
ACT_PD6_RFU: ACT_RFU.3 ACT_STM32F4DISCOVERY.80 | length 194.1
  1-TOP w20: ACT_RFU.3@6680,9990 6680,9827 ACT_STM32F4DISCOVERY.80@6702,9805
ACT_PD7_RFU: ACT_RFU.2 ACT_STM32F4DISCOVERY.77 | length 311.6
  1-TOP w20: ACT_RFU.2@6580,9990 6580,9891 6551.5,9862.5 6551.5,9754.5 ACT_STM32F4DISCOVERY.77@6597,9709
ACT_PD8_MAX485_TX: ACT_MAX485.4 ACT_STM32F4DISCOVERY.40 | length 252.6
  1-TOP w20: ACT_STM32F4DISCOVERY.40@7198,7808 7198,7837 7238,7877 7310,7877 7350,7917 ACT_MAX485.4@7350,7955.51
ACT_PD9_MAX485_RX: ACT_MAX485.1 ACT_STM32F4DISCOVERY.41 | length 351.4
  1-TOP w20: v1@7168,7888 7168,7934 7189.51,7955.51 ACT_MAX485.1@7200,7955.51
  3-SIGNAL w20: v1@7170,7886 7210,7886 7250,7846 7250,7748 7298,7700 ACT_STM32F4DISCOVERY.41@7300,7700
  other v1: 7169,7886
ACT_PD10_ERROR: ACT_Rderror.1 ACT_STM32F4DISCOVERY.42 | length 822.5
  1-TOP w20: ACT_STM32F4DISCOVERY.42@7307,7800 7390,7883 7390,8072 7453,8135 7453,8327 7603.01,8477.01 ACT_Rderror.1@7625.92,8477.01
ACT_PD11_SELFTEST: ACT_Rdselftest.1 ACT_STM32F4DISCOVERY.43 | length 614.6
  1-TOP w20: ACT_STM32F4DISCOVERY.43@7400,7700 7450,7750 7450,8002 7560,8112 7560,8172 ACT_Rdselftest.1@7614,8226
ACT_PD12_RUN: ACT_Rdrun.1 ACT_STM32F4DISCOVERY.44 | length 638.5
  1-TOP w20: ACT_STM32F4DISCOVERY.44@7400,7800 7419,7819 7419,8030 7509,8120 7509,8235 ACT_Rdrun.1@7621,8347
ACT_PD13_CAN: ACT_Rdcan.1 ACT_STM32F4DISCOVERY.45 | length 329.6
  1-TOP w20: ACT_STM32F4DISCOVERY.45@7500,7700 7550,7750 7550,7924 ACT_Rdcan.1@7610,7984
ACT_PD14_UART: ACT_Rduart.1 ACT_STM32F4DISCOVERY.46 | length 347.8
  1-TOP w20: ACT_STM32F4DISCOVERY.46@7500,7800 7500,7988 ACT_Rduart.1@7613,8101
ACT_PD15_USER: ACT_Rduser.1 ACT_STM32F4DISCOVERY.47 | length 134.5
  1-TOP w20: ACT_STM32F4DISCOVERY.47@7600,7700 7600,7574 ACT_Rduser.1@7606,7568
ACT_PE7_DIVERS1: ACT_CfswE7.2 ACT_RsSwE7.2 ACT_STM32F4DISCOVERY.25 | length 1287.4
  1-TOP w20: ACT_CfswE7.2@6500,7608 ACT_STM32F4DISCOVERY.25@6500,7700
  3-SIGNAL w20: v1@5498,7376 5592,7470 6371,7470 6500,7599 ACT_STM32F4DISCOVERY.25@6500,7700
  other v1: 5498,7371
ACT_PE8_DIVERS2: ACT_CfswE8.2 ACT_RsSwE8.2 ACT_STM32F4DISCOVERY.26 | length 1717.8
  1-TOP w20: ACT_STM32F4DISCOVERY.26@6500,7800 ACT_CfswE8.2@6500,7901.54 ACT_CfswE8.2@6500,7902
  3-SIGNAL w20: v1@5198,7369 5198,7462 5241,7505 6343,7505 6451.5,7613.5 6451.5,7751.5 ACT_STM32F4DISCOVERY.26@6500,7800
  other v1: 5196,7371
ACT_PE9_DIVERS3: ACT_CfswE9.2 ACT_RsSwE9.2 ACT_STM32F4DISCOVERY.27 | length 787.4
  1-TOP w20: ACT_CfswE9.2@6600,7607 ACT_STM32F4DISCOVERY.27@6600,7700
  3-SIGNAL w20: v1@6104,7395 6418,7395 6600,7577 ACT_STM32F4DISCOVERY.27@6600,7700
  other v1: 6110,7388
ACT_PE10_DIVERS4: ACT_CfswE10.2 ACT_RsSwE10.2 ACT_STM32F4DISCOVERY.28 | length 1156.3
  1-TOP w20: ACT_STM32F4DISCOVERY.28@6600,7800 ACT_CfswE10.2@6600,7895
  3-SIGNAL w20: v1@5804,7390 5852,7438 6401,7438 6551,7588 6551,7751 ACT_STM32F4DISCOVERY.28@6600,7800
  other v1: 5805,7387
ACT_PE11_DIVERS5: ACT_CfswE11.2 ACT_RsSwE11.2 ACT_STM32F4DISCOVERY.29 | length 802.6
  1-TOP w20: ACT_CfswE11.2@6700,7599 ACT_STM32F4DISCOVERY.29@6700,7700
  3-SIGNAL w20: ACT_STM32F4DISCOVERY.29@6700,7700 6759,7641 6830,7641 7125,7346 v1@7255,7346
  other v1: 7257,7351
ACT_PE12_BP_TEST_ACT: ACT_CfBPE12.2 ACT_RsBPE12.2 ACT_STM32F4DISCOVERY.30 | length 746.4
  1-TOP w20: ACT_STM32F4DISCOVERY.30@6700,7800 ACT_CfBPE12.2@6700,7899
  3-SIGNAL w20: v1@6502,7392 6519.5,7409.5 6651.5,7541.5 6651.5,7751.5 ACT_STM32F4DISCOVERY.30@6700,7800
  4-BOT w20: ACT_RsBPE12.2@6322,7407.09 6467.91,7407.09 v1@6476,7399
  other v1: 6484,7395
ACT_PE13_BP_TEST_ACT: ACT_CfBPE13.2 ACT_RsBPE13.2 ACT_STM32F4DISCOVERY.31 | length 341.8
  1-TOP w20: ACT_CfBPE13.2@6800,7598.46 ACT_STM32F4DISCOVERY.31@6800,7697
  3-SIGNAL w20: v1@6628,7414 v1@6800,7586
  other v1: 6627,7411 6797,7590
ACT_PE14_BP_TEST_ACT: ACT_CfBPE14.2 ACT_RsBPE14.2 ACT_STM32F4DISCOVERY.32 | length 1225.2
  1-TOP w20: ACT_STM32F4DISCOVERY.32@6800,7800 ACT_CfBPE14.2@6800,7901.54 ACT_CfBPE14.2@6800,7904
  3-SIGNAL w20: ACT_STM32F4DISCOVERY.32@6800,7800 6818,7800 6851,7767 6851,7673 7092,7432 7667,7432 v1@7700,7399
  other v1: 7702,7400
ACT_PE15_BP_TEST_ACT: ACT_CfBPE15.2 ACT_RsBPE15.2 ACT_STM32F4DISCOVERY.33 | length 1264.1
  1-TOP w20: ACT_CfBPE15.2@6900,7598.46 7085.54,7598.46 7105,7579 v1@7105,7574 ; ACT_CfBPE15.2@6900,7609 ACT_STM32F4DISCOVERY.33@6900,7700
  3-SIGNAL w20: v1(7118,7573) 7709,7573 v1@7805.5,7476.5
  4-BOT w20: v1@7812,7468 7909.91,7370.09 ACT_RsBPE15.2@7999,7370.09
  other v1: 7807,7469
ACT_U1RX: ACT_JPr.2 ACT_Rsu1rx.2 ACT_UART1.4 | length 4679.8
  4-BOT w20: ACT_UART1.4@4532.01,10324.01 4519.99,10324.01 4403,10441 4403,10659 4352,10710 4352,11042 4132,11262 4132,13485 4638,13991 ACT_JPr.2@4738,13991
  4-BOT w50: 4475.01,10324.01 4427,10276 4427,10173 4525,10075 v1@4746,10075
  other v1: 4748,10076
ACT_U1TX: ACT_JPt.2 ACT_RpuU1tx.1 ACT_RsU1tx.1 ACT_UART1.3 | length 4459.2
  1-TOP w50: ACT_UART1.3@4632.01,10374.01 4745.01,10374.01 4745.01,10270.99 ACT_RpuU1tx.1@4748,10268
  4-BOT w20: ACT_UART1.3@4632.01,10374.01 4642.01,10374.01 4723,10455 4723,10731 4165,11289 4165,13455 4620,13910 4741,13910 ACT_JPt.2@4825,13994
BT_URX: ACT_JPt.1 Bluetooth.4 PRO_JPt.1 STR_JPt.1 | length 1883.3
  1-TOP w20: PRO_JPt.1@4510,14090 4561,14039 5170,14039 ; 4840,14041 ACT_JPt.1@4840,14090 ; STR_JPt.1@5170,14087 5170,14039 ; Bluetooth.4@6199,13855 6148,13855 5964,14039 5170,14039
BT_UTX: ACT_Rjpt.2 D_BTtx.3 PRO_Rjpt.2 STR_Rjpt.2 | length 1119.7
  1-TOP w20: PRO_Rjpt.2@4289,13992.91 4343.91,13938 D_BTtx.3@5291,13938 ; 4620,13939 ACT_Rjpt.2@4620,13985 ; 4955,13945 STR_Rjpt.2@4955,13993.91
CANH: ACT_Ucan.7 COMRF.15 PRO_Ucan.7 RcanH1.2 RcanH2.1 STR_Ucan.7 | length 12503.4
  1-TOP w20: STR_Ucan.7@6935,13299.49 RcanH2.1@6935,13385 ; ACT_Ucan.7@6940,10114.49 6940,10165 v1@6963,10188 ; PRO_Ucan.7@6965,6919.49 RcanH1.2@6965,7019
  3-SIGNAL w20: v1@8091,9985 v1@8210,9985 ; v1@8100,11459 v1@8219,11459
  4-BOT w20: COMRF.15@6383,11461 v1@8128,11461 ; v1@6949,7024 v1(6957,7016) 7170,6803 8047,6803 8196,6952 8196,13218 8050,13364 7123,13364 7050,13437 6992,13437 v1@6953,13398 ; v1(6962,10192) 7021,10192 7096,10117 7607,10117 7733,9991 v1@8115,9991
  other v1: 8204,9984 8103,9988 8210,11459 8112,11462 6949,13391
CANL: ACT_Ucan.6 COMRF.16 PRO_Ucan.6 RcanL1.1 RcanL2.1 STR_Ucan.6 | length 11940.4
  1-TOP w20: STR_Ucan.6@6985,13299.49 6985,13356 RcanL2.1@7011,13382 ; ACT_Ucan.6@6990,10114.49 6990,10155 7013,10178 v1@7128,10178 ; PRO_Ucan.6@7015,6919.49 RcanL1.1@7015,7010
  4-BOT w20: COMRF.16@6384,11351 6840,11351 6892,11403 8163,11403 ; v1@7017,13397 7017,13396 v1(7023,13390) 7106,13307 8033,13307 8164,13176 8164,10036 ; v1@7031,7016 7192,6855 8036,6855 8154,6973 8154,10026 8164,10036 ; v1(7133,10162) 7629,10162 7755,10036 8164,10036
  other v1: 7028,7020